# Allegro board C000PD020-3399PRO-DMEB-A-A01.brd (continued)
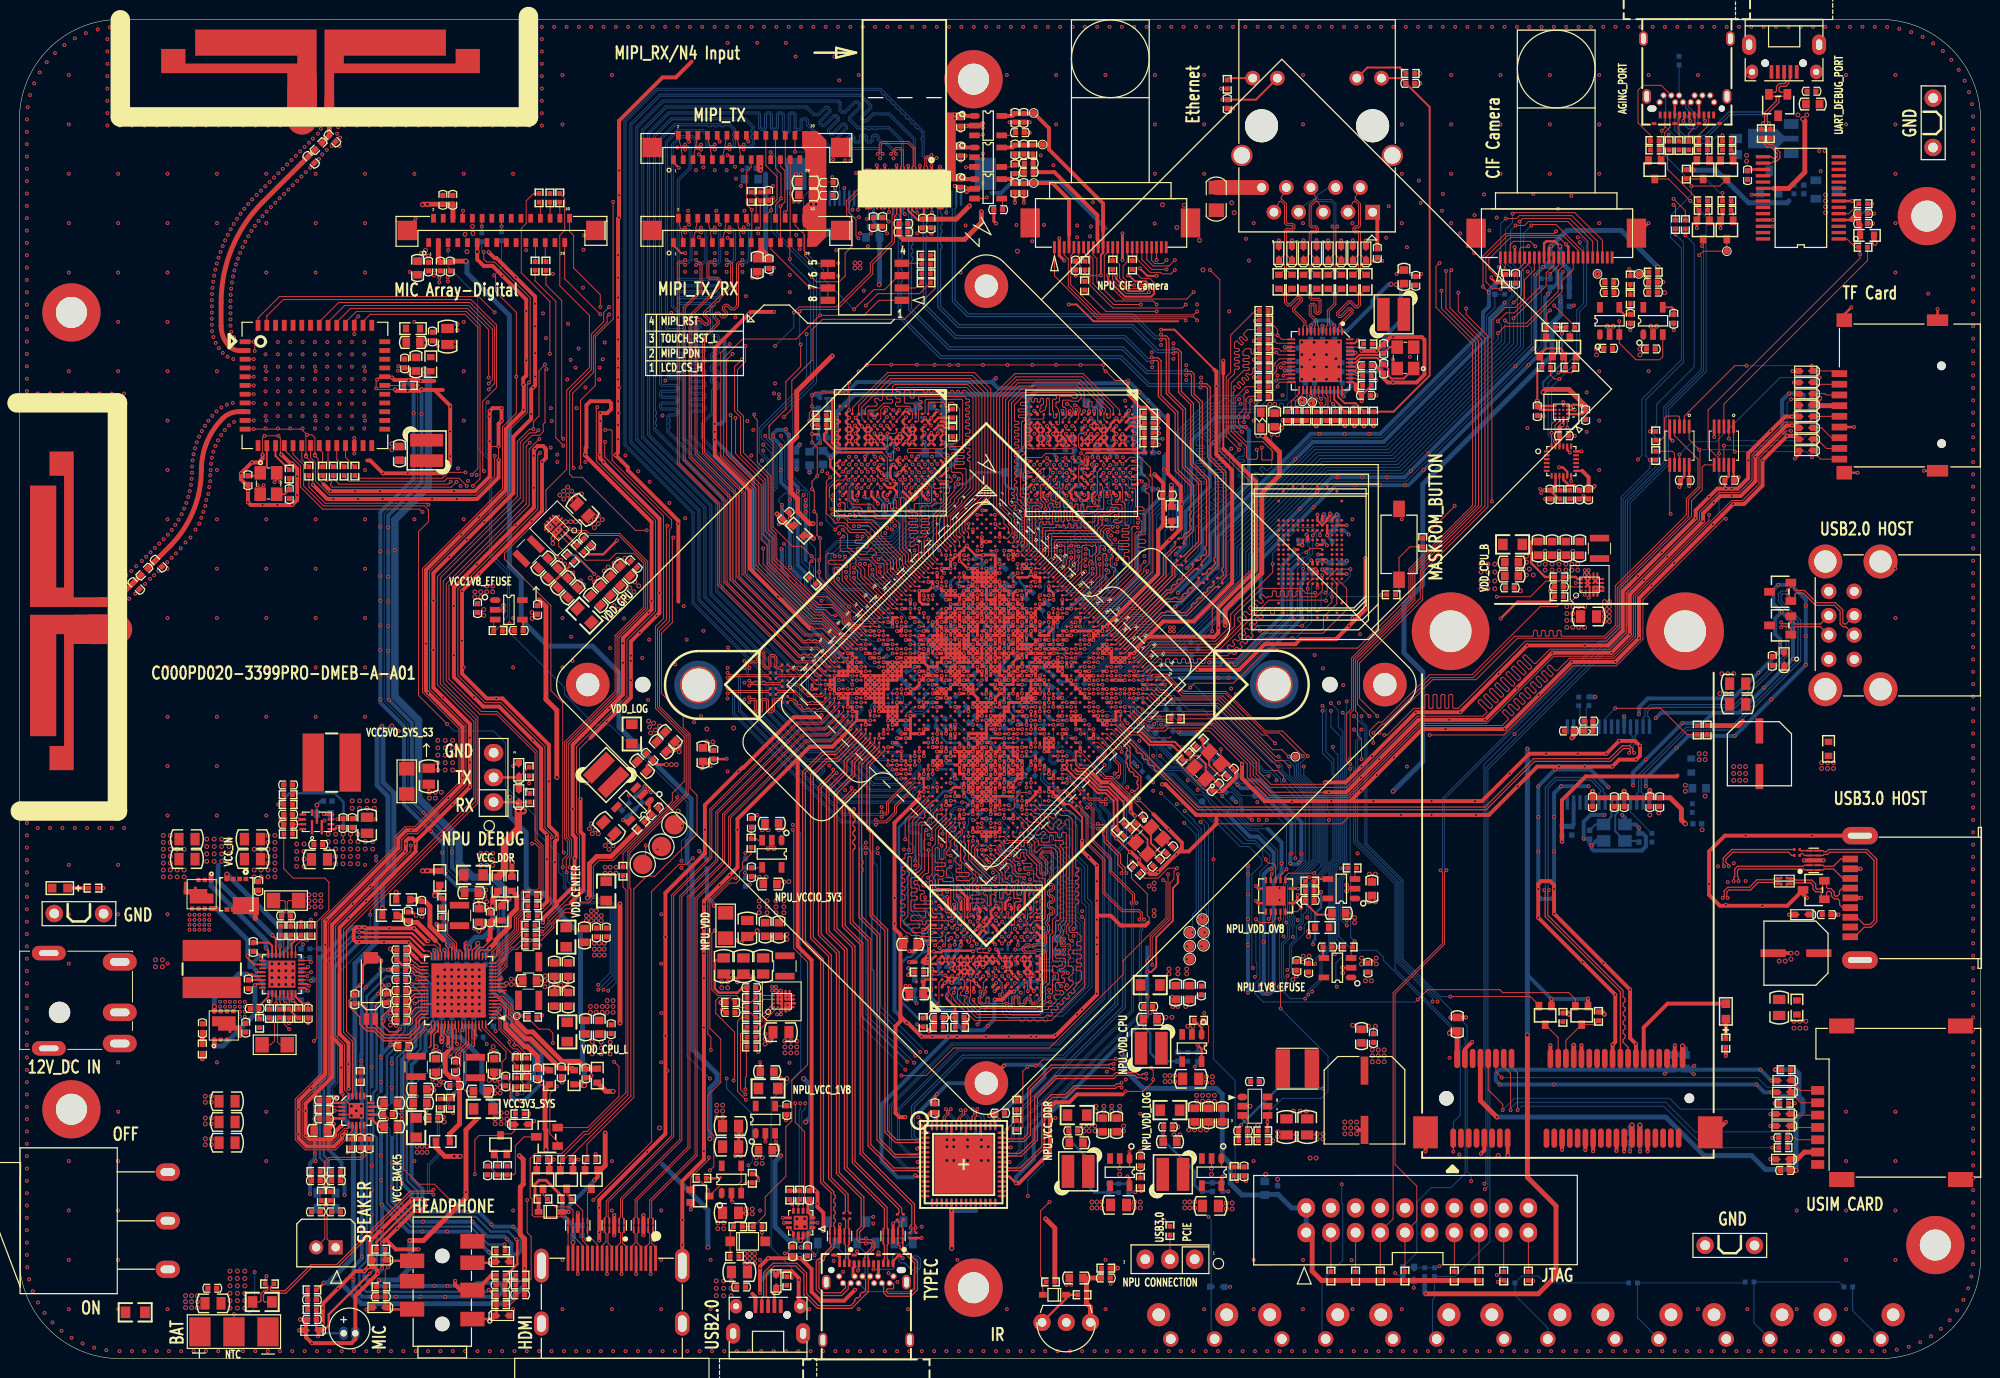
[diagram p0: board, top side]
## Routing (per net, layer and track width the routed paths; a pad name or vN(x,y) marks a point on that pad's centre or on a via; arc(x,y) is an arc through that point) (continued)
MAC_RXD3: length 52.7
  TOP w0.102: R6538.2 126.21,100.01 125.1,98.9 125.1,96.07 v1(125.81,95.36) ; U1000.E26 v1(109.6,73.95)
  BOTTOM w0.102: v1(109.6,73.95) 109.45,74.1 109.45,74.61 111.21,76.38 113.53,76.38 114.22,77.07 115.14,77.07 118.8,80.73 118.8,82.05 120.4,83.65 120.4,86.98 123.08,89.66 124.04,89.66 124.13,89.75 124.13,89.87 124.04,89.96 123.08,89.96 122.99,90.05 122.99,90.18 123.08,90.27 124.04,90.27 124.13,90.36 124.13,90.48 124.04,90.57 123.08,90.57 122.99,90.66 122.99,90.79 123.08,90.88 124.04,90.88 124.13,90.97 124.13,91.09 124.04,91.18 123.08,91.18 122.99,91.27 122.99,91.4 123.08,91.49 124.04,91.49 124.13,91.58 124.13,91.7 124.04,91.79 123.08,91.79 122.99,91.88 122.99,92.01 123.08,92.1 124.04,92.1 124.13,92.19 124.13,92.31 124.04,92.4 123.08,92.4 122.99,92.49 122.99,92.62 123.08,92.71 124.04,92.71 124.13,92.8 124.13,92.92 124.04,93.01 123.08,93.01 122.99,93.1 122.99,93.23 123.08,93.32 124.04,93.32 124.13,93.41 124.13,93.53 124.04,93.62 123.08,93.62 122.99,93.71 122.99,93.86 124.49,95.36 v1(125.81,95.36)
MAC_RXDV: length 52.8
  TOP w0.102: R6540.2 127.17,107.85 124.64,105.32 124.64,101.48 124.18,101.03 124.18,94.85 v1(125.5,93.53) ; U1000.E27 v1(110.06,73.49)
  BOTTOM w0.089: 112.09,75.86 111.79,75.86 110.97,75.04 110.97,74.84 110.87,74.73 110.85,74.73 110.66,74.54 110.66,74.52 110.41,74.27 110.39,74.27 110.2,74.08 110.2,74.07 110.06,73.93 v1(110.06,73.49)
  BOTTOM w0.102: 112.09,75.86 113.61,75.86 114.33,76.57 115.54,76.57 119.41,80.43 119.41,81.75 121.01,83.35 121.01,85.51 121.57,86.08 121.57,86.21 121.18,86.6 121.18,86.72 121.27,86.81 121.4,86.81 121.79,86.42 121.91,86.42 122,86.51 122,86.64 121.61,87.03 121.61,87.15 121.7,87.24 121.83,87.24 122.22,86.85 122.34,86.85 122.43,86.94 122.43,87.07 122.04,87.46 122.04,87.59 122.13,87.68 122.26,87.68 122.65,87.28 122.78,87.28 122.87,87.37 122.87,87.5 122.47,87.89 122.47,88.02 122.56,88.11 122.69,88.11 123.08,87.71 123.21,87.71 123.3,87.8 123.3,87.93 122.91,88.32 122.91,88.45 123,88.54 123.12,88.54 123.51,88.15 123.64,88.15 123.73,88.24 123.73,88.36 123.34,88.75 123.34,88.88 123.43,88.97 123.55,88.97 123.94,88.58 124.07,88.58 124.89,89.4 124.89,92.92 v1(125.5,93.53)
MASKROM: length 61.3
  TOP w0.102: v1(147.68,87.76) 147.71,87.76 147.71,87.74 R4103.2 ; v1(172.03,120.66) 174.97,120.66 Q9704.3
  S1 w0.102: v1(147.68,87.76) 147.71,87.76 147.71,87.74 148.16,87.29 160.5,87.29 165.74,92.52 v1(166.55,92.52)
  BOTTOM w0.102: v1(166.55,92.52) 166.95,92.92 166.95,98.72 171.02,102.78 171.02,114.26 169.9,115.38 169.9,117.61 172.03,119.75 v1(172.03,120.66)
MDI0+: length 9.8
  TOP w0.102: U6500.1 136.08,106.04 135.99,106.14 135.99,106.35 137.24,107.61 137.24,107.9 137.03,108.11 136.74,108.11 135.96,107.34 135.84,107.34 135.75,107.43 135.75,107.55 136.82,108.63 136.95,108.63 137.45,108.12 137.75,108.12 138,108.37 138,109.51 R6507.1
MDI0-: length 9.8
  TOP w0.102: U6500.2 135.68,106.05 135.78,106.15 135.78,106.44 137.04,107.69 137.04,107.82 136.95,107.91 136.82,107.91 136.05,107.13 135.75,107.13 135.54,107.34 135.54,107.64 136.74,108.83 137.03,108.83 137.54,108.32 137.67,108.32 137.8,108.45 137.8,109.51 R6506.1
MDI1+: length 5
  TOP w0.102: R6505.1 135.46,109.51 135.46,108.46 134.79,107.79 134.79,106.33 134.88,106.23 U6500.4
MDI1-: length 5
  TOP w0.102: R6504.1 135.26,109.51 135.26,108.54 134.58,107.87 134.58,106.33 134.48,106.23 U6500.5
MDI2+: length 8.4
  TOP w0.102: U6500.7 133.68,106.23 133.59,106.33 133.59,106.79 132.92,107.46 132.92,108.31 133.01,108.4 133.13,108.4 133.22,108.31 133.22,107.67 133.43,107.46 133.73,107.46 133.93,107.67 133.93,108.91 133.73,109.11 133.01,109.11 132.92,109.2 132.92,109.51 R6503.1
MDI2-: length 8.4
  TOP w0.102: U6500.8 133.28,106.23 133.38,106.33 133.38,106.71 132.72,107.38 132.72,108.4 132.92,108.61 133.22,108.61 133.43,108.4 133.43,107.75 133.52,107.66 133.64,107.66 133.73,107.75 133.73,108.82 133.64,108.91 132.92,108.91 132.72,109.12 132.72,109.51 R6502.1
MDI3+: length 8
  TOP w0.102: U6500.10 132.48,106.23 132.39,106.33 132.39,106.72 131.22,107.89 131.22,108.02 132.01,108.81 132.01,109.1 131.8,109.31 131.5,109.31 130.71,108.52 130.59,108.52 130.38,108.73 130.38,109.51 R6501.1
MDI3-: length 8
  TOP w0.102: R6500.1 130.18,109.51 130.18,108.65 130.5,108.32 130.8,108.32 131.59,109.11 131.71,109.11 131.8,109.02 131.8,108.89 131.01,108.1 131.01,107.81 132.18,106.64 132.18,106.33 132.08,106.23 U6500.11
MDI_0+: length 11
  TOP w0.102: R6507.2 138.49,111.53 138,112.02 138,112.55 D6500.1 138.48,113.12 138,113.6 138,115.83 137.79,116.04 137.5,116.04 137.41,116.13 137.41,116.26 137.5,116.35 137.79,116.35 138,116.55 138,118.84 137.64,119.2 137.48,119.28 137.43,119.42 J6500.2
MDI_0-: length 10.7
  TOP w0.102: R6506.2 137.3,111.53 137.8,112.02 137.8,112.55 D6501.1 137.28,113.12 137.8,113.64 137.8,115.75 137.71,115.84 137.42,115.84 137.21,116.05 137.21,116.34 137.42,116.55 137.71,116.55 137.8,116.64 137.8,118.76 137.52,119.04 137.39,119.1 137.25,119.06 J6500.3
MDI_1+: length 12.9
  TOP w0.102: R6505.2 135.95,111.53 135.46,112.02 135.46,112.55 D6502.1 135.94,113.12 135.46,113.6 135.46,116.35 v1(135.61,116.5)
  BOTTOM w0.102: v1(135.61,116.5) 135.46,116.64 135.46,118.83 135.02,119.28 133.68,119.28 133.52,119.51 133.57,119.74 134.89,120.62 J6500.4
MDI_1-: length 12.6
  TOP w0.102: R6504.2 134.76,111.53 135.26,112.02 135.26,112.55 D6503.1 134.74,113.12 135.26,113.64 135.26,116.35 v1(135.11,116.5)
  BOTTOM w0.102: J6500.7 131.7,118.32 133.22,119.34 133.42,119.3 133.57,119.07 134.93,119.07 135.26,118.75 135.26,116.64 v1(135.11,116.5)
MDI_2+: length 11.1
  TOP w0.102: R6503.2 133.41,111.53 132.92,112.02 132.92,112.55 D6504.1 133.4,113.12 132.92,113.6 132.92,115.75 133.01,115.84 133.45,115.84 133.66,116.05 133.66,116.35 133.45,116.56 133.01,116.56 132.92,116.64 132.92,118.6 133.36,119.04 133.49,119.1 133.62,119.06 J6500.5
MDI_2-: length 11.3
  TOP w0.102: J6500.6 133.44,119.42 133.4,119.28 133.24,119.2 132.72,118.68 132.72,116.56 132.92,116.35 133.36,116.35 133.45,116.26 133.45,116.14 133.36,116.05 132.92,116.05 132.72,115.84 132.72,113.64 132.2,113.12 D6505.1 132.72,112.55 132.72,112.02 132.22,111.53 R6502.2
MDI_3+: length 11.5
  TOP w0.102: J6500.8 129.81,119.42 129.86,119.28 129.99,119.22 130.38,118.83 130.38,116.91 130.47,116.82 131.03,116.82 131.24,116.61 131.24,116.32 131.03,116.11 130.47,116.11 130.38,116.02 130.38,113.6 130.86,113.12 D6506.1 130.38,112.55 130.38,112.02 130.87,111.53 R6501.2
MDI_3-: length 11.3
  TOP w0.102: R6500.2 129.68,111.53 130.18,112.02 130.18,112.55 D6507.1 129.66,113.12 130.18,113.64 130.18,116.1 130.38,116.31 130.95,116.31 131.04,116.4 131.04,116.53 130.95,116.62 130.38,116.62 130.18,116.82 130.18,118.74 129.87,119.05 129.77,119.1 129.63,119.06 J6500.9
MIC1_IN: length 44.9
  TOP w0.254: ED7004.1 30.55,3.11 C7005.1 R7008.2 ; ED7004.1 30.73,2.32 v1(30.71,2.3) ; ED7004.1 31.34,2.93 31.83,3.41 31.83,4.53 v1(36.04,8.75)
  BOTTOM w0.254: v1(36.04,8.75) 36.75,9.46 36.75,22.72 36.4,23.07 36.4,27.34 36.75,27.7 36.75,36.38 38.29,37.92 C2140.1 ; v1(30.71,2.3) 31.01,2.6 MIC7000.1
MIC2_IN: length 53.6
  TOP w0.254: J7000.1 48.72,4.06 ED7003.1 R7001.1 R7010.2 48.79,6.56 v1(48.29,7.07)
  BOTTOM w0.254: v1(48.29,7.07) 48.08,6.87 35.69,6.87 34.98,7.58 34.98,9.31 35.74,10.07 35.74,37.3 37.76,39.32 38.19,39.32 38.51,39 C2141.1
MIC_LED_EN_H: length 1.7
  TOP w0.102: R1225.2 55.61,118.99 J7500.28
MIPI_CLKO: length 95.8
  TOP w0.102: v1(122.5,112.02) 123.52,111.01 123.52,93.38 126.82,90.08 126.82,81.24 122.73,77.15 v1(122.73,74.84) ; R4601.1 75.33,120.04 R4600.1 76.23,116.39 76.12,116.29 v1(75.92,116.29)
  S1 w0.102: v1(122.5,112.02) 118.39,116.14 76.07,116.14 v1(75.92,116.29)
  BOTTOM w0.102: R1901.2 121.25,73.33 122.73,74.81 v1(122.73,74.84)
MIPI_MCLK0: length 15.3
  TOP w0.102: v1(77.55,120.66) 77.09,120.2 C4600.1 77.04,120.04 R4600.2 ; J4600.11 89.84,121.98 v1(89.84,121.07)
  S1 w0.102: v1(77.55,120.66) 77.95,121.07 83.85,121.07 84.15,121.37 89.54,121.37 v1(89.84,121.07)
MIPI_MCLK_T2: length 2
  TOP w0.102: R4601.2 75.8,118.65 J5101.18
MIPI_PDN: length 3.2
  TOP w0.102: 92.84,110.81 92.21,110.17 S5100.2 ; 92.84,110.81 R5102.2 ; 92.84,110.81 R5103.2
MIPI_PDN_H: length 91.6
  TOP w0.102: v1(87.1,108.37) 88.32,109.59 92.63,109.59 R5102.1 ; v1(60.68,108.21) 60.12,107.66 60.12,106.69 58.85,105.42 58.85,101.76 56.62,99.53 56.62,90.99 56.92,90.69 57.94,90.69 63.4,85.23 v1(64.54,85.23)
  TOP w0.305: U1000.AK4 v1(87.08,72.57)
  S1 w0.089: 84.46,73.42 85.47,73.42 86.32,72.57 v1(87.08,72.57)
  S1 w0.102: v1(60.68,108.21) 60.83,108.37 v1(87.1,108.37) ; v1(64.54,85.23) 75.46,74.31 83.24,74.31 84.13,73.42 84.46,73.42
MIPI_RST: length 3
  TOP w0.102: R5104.2 R5105.2 92.77,112.71 S5100.4
MIPI_RST_L: length 65.2
  TOP w0.102: v1(83.95,76.46) 83.54,76.46 82.93,77.07 81.92,77.07 77.14,81.85 77.14,84.19 76.53,84.8 76.53,90.28 73.69,93.13 v1(73.69,96.78) ; R5104.1 94.11,113.55 94.21,113.45 94.21,110.09 91.06,106.94 82.63,106.94 81.56,105.88 81.56,102.73 79.48,100.65 79.48,97.7 v1(78.66,96.89) ; U1000.AG4 v1(88.46,73.95)
  S1 w0.102: v1(73.69,96.78) 73.99,97.09 75.01,97.09 75.31,96.78 78.56,96.78 v1(78.66,96.89)
  BOTTOM w0.089: v1(88.46,73.95) 88.34,73.82 87.71,73.82 86.79,74.74 85.98,74.74 85.88,74.84
  BOTTOM w0.102: 85.88,74.84 84.25,76.46 v1(83.95,76.46)
MIPI_RX0_CLKN: length 4.4
  TOP w0.102: U1000.AY3 82.36,68.31 82.09,68.31 81.99,68.41 81.76,68.41 81.66,68.31 81.21,68.31 81.05,68.47 81.05,68.69 80.95,68.79 80.73,68.79 80.59,68.93 80.59,69.15 80.44,69.3 80.22,69.3 80.07,69.45 79.34,69.45 R9821.1
MIPI_RX0_CLKP: length 5
  TOP w0.102: U1000.AW3 82.95,68.45 82.6,68.11 81.13,68.11 79.99,69.25 79.14,69.25 R9820.1
MIPI_RX0_D0N: length 5.7
  TOP w0.102: R9813.1 79.24,67.93 79.56,67.93 79.69,67.8 79.78,67.8 79.86,67.8 80.02,67.64 80.02,67.55 80.02,67.47 80.19,67.31 80.27,67.31 80.27,67.31 80.35,67.31 80.52,67.14 80.52,67.06 80.52,66.97 80.68,66.81 80.92,66.81 81.02,66.91 81.25,66.91 81.35,66.81 81.58,66.81 81.68,66.91 81.91,66.91 82.01,66.81 82.24,66.81 82.34,66.91 82.57,66.91 82.67,66.81 82.85,66.81 83.41,67.37 U1000.AY5
MIPI_RX0_D0P: length 6.2
  TOP w0.102: 83.86,67.97 83.86,67.54 82.93,66.61 80.59,66.61 79.48,67.73 79.24,67.73 R9812.1
MIPI_RX0_D1N: length 6.2
  TOP w0.102: R9815.1 78.02,68.74 79.83,68.74 81.05,67.52 81.34,67.52 81.44,67.63 81.67,67.63 81.77,67.52 82,67.52 82.1,67.63 82.33,67.63 82.43,67.52 82.64,67.52 82.95,67.83 82.95,67.97 82.95,67.97
MIPI_RX0_D1P: length 6.9
  TOP w0.102: R9814.1 78.02,68.54 79.75,68.54 80.97,67.32 82.73,67.32 83.41,68 U1000.AW4
MIPI_RX0_D2N: length 4.5
  TOP w0.102: U1000.AW1 82.01,69.79 81.86,69.79 81.29,70.37 78.02,70.37 R9817.1
MIPI_RX0_D2P: length 5.1
  TOP w0.102: R9816.1 78.02,70.17 81.2,70.17 82.02,69.35 U1000.AW2
MIPI_RX0_D3N: length 3.9
  TOP w0.102: U1000.AV1 82.31,70.27 81.4,71.18 79.24,71.18 R9819.1
MIPI_RX0_D3P: length 4.9
  TOP w0.102: U1000.AV2 82.49,69.81 82.1,70.2 81.93,70.2 81.8,70.34 81.8,70.5 81.32,70.98 81.1,70.98 80.95,70.83 80.8,70.83 80.65,70.98 80.49,70.98 80.34,70.83 80.19,70.83 80.04,70.98 79.88,70.98 79.73,70.83 79.58,70.83 79.43,70.98 79.24,70.98 R9818.1
MIPI_TX0_CLKN: length 88
  TOP w0.102: v1(71.55,124.93) 71.47,124.81 71.13,124.74 71.01,124.82 J5100.8 ; U1000.AU5 v1(84.32,68.89)
  BOTTOM w0.102: v1(71.55,124.93) 71.45,124.83 70.94,124.83 70.84,124.93 70.84,125.98 70.37,126.45 67.69,126.45 66.47,125.23 66.47,107.23 66.69,107.01 67.42,107.01 67.55,106.88 67.55,106.74 67.42,106.61 66.69,106.61 66.47,106.39 66.47,106.01 66.69,105.79 68.1,105.79 68.2,105.69 68.2,105.49 68.1,105.39 66.69,105.39 66.47,105.17 66.47,104.79 66.69,104.57 68.1,104.57 68.2,104.47 68.2,104.27 68.1,104.17 66.69,104.17 66.47,103.95 66.47,103.58 66.69,103.36 68.1,103.36 68.2,103.25 68.2,103.05 68.1,102.95 66.69,102.95 66.47,102.73 66.47,102.36 66.69,102.14 68.1,102.14 68.2,102.03 68.2,101.7 68.1,101.6 66.9,101.6 66.68,101.38 66.68,101 66.9,100.78 68.1,100.78 68.2,100.68 68.2,94.71 73.48,89.43 73.48,79.83 84.05,69.27 84.55,69.27 84.68,69.14 84.68,68.99 84.58,68.89 v1(84.32,68.89)
MIPI_TX0_CLKP: length 87.7
  TOP w0.102: J5100.9 71.09,124.42 71.17,124.54 71.17,124.54 71.39,124.59 v1(71.55,124.43) ; U1000.AT6 v1(85.24,68.89)
  BOTTOM w0.102: v1(71.55,124.43) 71.36,124.62 70.86,124.62 70.64,124.84 70.64,125.89 70.28,126.25 67.78,126.25 66.68,125.15 66.68,107.32 66.78,107.22 67.5,107.22 67.75,106.97 67.75,106.65 67.5,106.4 66.78,106.4 66.68,106.3 66.68,106.1 66.78,106 68.18,106 68.4,105.78 68.4,105.4 68.18,105.18 66.78,105.18 66.68,105.08 66.68,104.88 66.78,104.78 68.18,104.78 68.4,104.56 68.4,104.19 68.18,103.96 66.78,103.96 66.68,103.86 66.68,103.66 66.78,103.56 68.18,103.56 68.4,103.34 68.4,102.97 68.18,102.75 66.78,102.75 66.68,102.64 66.68,102.44 66.78,102.34 68.18,102.34 68.4,102.12 68.4,101.61 68.18,101.39 66.98,101.39 66.88,101.29 66.88,101.09 66.98,100.99 68.18,100.99 68.4,100.77 68.4,94.8 73.69,89.51 73.69,79.92 84.13,69.47 84.64,69.47 84.89,69.22 84.89,68.99 84.99,68.89 v1(85.24,68.89)
MIPI_TX0_D0N: length 88
  TOP w0.102: J5100.14 74.01,124.82 74.13,124.74 74.14,124.74 74.39,124.79 v1(74.52,124.93) ; U1000.AU9 v1(86.16,67.05)
  BOTTOM w0.102: v1(74.52,124.93) 74.67,124.78 75.18,124.78 75.41,125.01 75.41,125.48 75.26,125.63 75.26,125.79 75.41,125.94 75.41,126.1 75.26,126.25 75.26,126.35 75.41,126.5 75.41,126.66 74.6,127.47 74.35,127.47 74.24,127.37 73.99,127.37 73.89,127.47 73.74,127.47 73.63,127.37 73.42,127.37 73.32,127.47 67.17,127.47 65.46,125.76 65.46,97.53 65.56,97.43 65.56,97.2 65.46,97.1 65.46,96.87 65.56,96.77 65.56,96.54 65.46,96.44 65.46,96.18 65.56,96.07 65.56,95.92 65.46,95.82 65.46,95.67 72.47,88.66 72.47,79.31 81.2,70.57 81.2,68.73 81.71,68.22 81.88,68.22 82.04,68.06 82.04,67.89 82.2,67.73 82.37,67.73 82.54,67.56 82.54,67.39 82.7,67.23 82.87,67.23 83.03,67.07 83.03,66.9 83.19,66.74 83.36,66.74 83.52,66.58 83.52,66.41 83.73,66.2 84.2,66.2 84.32,66.33 84.55,66.33 84.68,66.2 84.91,66.2 85.04,66.33 85.26,66.33 85.39,66.2 85.97,66.2 86.58,66.81 86.58,66.95 86.42,67.12 86.23,67.12 v1(86.16,67.05)
MIPI_TX0_D0P: length 88.4
  TOP w0.102: v1(74.52,124.43) 74.31,124.57 74.17,124.54 74.17,124.54 74.09,124.42 J5100.15 ; U1000.AT9 v1(86.62,67.51)
  BOTTOM w0.102: v1(86.62,67.51) 86.62,67.2 86.78,67.04 86.78,66.73 86.06,66 83.64,66 81,68.64 81,70.49 72.26,79.23 72.26,88.57 65.25,95.58 65.25,125.84 67.08,127.67 74.68,127.67 75.62,126.74 75.62,124.93 75.27,124.58 74.67,124.58 v1(74.52,124.43)
MIPI_TX0_D1N: length 89.5
  TOP w0.102: v1(73.07,124.43) 73.05,124.42 72.63,124.5 72.51,124.42 J5100.11 ; U1000.AU8 v1(85.7,67.51)
  BOTTOM w0.102: v1(85.7,67.51) 85.7,67.74 85.59,67.85 85.38,67.85 84.75,67.22 83.96,67.22 82.22,68.96 82.22,70.18 72.87,79.53 72.87,89.1 66.62,95.35 66.62,96.98 66.84,97.2 67.49,97.2 67.59,97.3 67.59,97.51 67.49,97.61 66.08,97.61 65.86,97.83 65.86,98.2 66.08,98.42 67.49,98.42 67.59,98.52 67.59,98.73 67.49,98.83 66.08,98.83 65.86,99.05 65.86,99.42 66.08,99.64 67.49,99.64 67.59,99.74 67.59,99.95 67.49,100.05 66.08,100.05 65.86,100.27 65.86,125.54 67.39,127.06 73.13,127.06 73.69,126.5 73.69,124.8 73.47,124.58 73.22,124.58 v1(73.07,124.43)
MIPI_TX0_D1P: length 89.3
  TOP w0.102: v1(73.07,124.93) 72.81,124.67 72.67,124.7 72.59,124.82 J5100.12 ; U1000.AT8 v1(86.16,67.97)
  BOTTOM w0.102: v1(73.07,124.93) 73.22,124.78 73.38,124.78 73.48,124.89 73.48,125.28 73.38,125.38 73.38,125.54 73.48,125.64 73.48,125.79 73.38,125.89 73.38,126.05 73.48,126.15 73.48,126.42 73.04,126.86 72.55,126.86 72.44,126.76 72.22,126.76 72.11,126.86 71.89,126.86 71.78,126.76 71.55,126.76 71.45,126.86 71.22,126.86 71.12,126.76 70.89,126.76 70.79,126.86 67.47,126.86 66.07,125.45 66.07,102.07 66.22,101.92 66.22,101.71 66.07,101.56 66.07,100.35 66.17,100.25 67.57,100.25 67.79,100.03 67.79,99.66 67.57,99.44 66.17,99.44 66.07,99.34 66.07,99.13 66.17,99.03 67.57,99.03 67.79,98.81 67.79,98.44 67.57,98.22 66.17,98.22 66.07,98.12 66.07,97.91 66.17,97.81 67.57,97.81 67.79,97.59 67.79,97.22 67.57,97 66.93,97 66.83,96.9 66.83,96.73 66.98,96.58 66.98,96.43 66.83,96.28 66.83,96.12 66.98,95.97 66.98,95.82 66.83,95.67 66.83,95.44 73.08,89.19 73.08,79.61 82.42,70.27 82.42,69.05 84.05,67.42 84.66,67.42 85.29,68.05 85.68,68.05 85.76,67.97 v1(86.16,67.97)
MIPI_TX0_D2N: length 89.4
  TOP w0.102: v1(70.14,124.42) 70.12,124.39 70.06,124.39 69.98,124.47 69.79,124.47 69.67,124.5 69.63,124.5 69.51,124.42 J5100.5 ; U1000.AR5 v1(85.7,69.35)
  BOTTOM w0.102: v1(70.14,124.42) 70.14,124.44 70,124.58 69.74,124.58 69.52,124.8 69.52,125.35 69.23,125.64 68.08,125.64 67.28,124.84 67.28,108.35 68.89,106.75 69.91,106.75 70.13,106.53 70.13,106.16 69.91,105.94 69.27,105.94 69.16,105.83 69.16,105.63 69.27,105.53 70.42,105.53 70.64,105.31 70.64,104.94 70.42,104.72 69.27,104.72 69.16,104.61 69.16,104.41 69.27,104.31 70.42,104.31 70.64,104.09 70.64,103.72 70.42,103.5 69.27,103.5 69.16,103.4 69.16,103.19 69.27,103.09 70.42,103.09 70.64,102.87 70.64,102.5 70.42,102.28 69.27,102.28 69.16,102.18 69.16,101.97 69.27,101.87 70.42,101.87 70.64,101.65 70.64,101.28 70.42,101.06 69.27,101.06 69.16,100.96 69.16,100.75 69.27,100.65 70.42,100.65 70.64,100.43 70.64,100.06 70.42,99.84 69.27,99.84 69.16,99.74 69.16,99.53 69.27,99.43 70.42,99.43 70.64,99.21 70.64,98.84 70.42,98.62 69.27,98.62 69.16,98.52 69.16,98.32 69.27,98.21 70.42,98.21 70.64,97.99 70.64,97.62 70.42,97.4 69.27,97.4 69.16,97.3 69.16,95.01 74.3,89.88 74.3,80.33 83.54,71.08 83.95,71.08 85.67,69.35 v1(85.7,69.35)
MIPI_TX0_D2P: length 89.3
  TOP w0.102: v1(70.14,124.92) 70.14,124.91 69.99,124.77 69.9,124.67 69.81,124.67 69.67,124.7 69.59,124.82 J5100.6 ; U1000.AT4 v1(84.32,69.81)
  BOTTOM w0.102: v1(84.32,69.81) 84.38,69.76 84.63,69.76 84.74,69.86 84.74,70 83.86,70.88 83.46,70.88 74.09,80.24 74.09,89.79 68.96,94.92 68.96,97.38 69.18,97.6 70.33,97.6 70.43,97.71 70.43,97.91 70.33,98.01 69.18,98.01 68.96,98.23 68.96,98.6 69.18,98.82 70.33,98.82 70.43,98.93 70.43,99.13 70.33,99.23 69.18,99.23 68.96,99.45 68.96,99.82 69.18,100.04 70.33,100.04 70.43,100.14 70.43,100.35 70.33,100.45 69.18,100.45 68.96,100.67 68.96,101.04 69.18,101.26 70.33,101.26 70.43,101.36 70.43,101.57 70.33,101.67 69.18,101.67 68.96,101.89 68.96,102.26 69.18,102.48 70.33,102.48 70.43,102.58 70.43,102.79 70.33,102.89 69.18,102.89 68.96,103.11 68.96,103.48 69.18,103.7 70.33,103.7 70.43,103.8 70.43,104.01 70.33,104.11 69.18,104.11 68.96,104.33 68.96,104.7 69.18,104.92 70.33,104.92 70.43,105.02 70.43,105.22 70.33,105.33 69.18,105.33 68.96,105.55 68.96,105.92 69.18,106.14 69.82,106.14 69.93,106.24 69.93,106.44 69.82,106.55 68.8,106.55 67.08,108.27 67.08,124.93 68,125.84 69.32,125.84 69.72,125.44 69.72,124.88 69.82,124.78 70,124.78 v1(70.14,124.92)
MIPI_TX0_D3N: length 89.1
  TOP w0.102: U1000.AP5 v1(85.7,70.27) ; v1(68.5,124.92) 68.35,124.77 68.27,124.77 68.13,124.74 68.01,124.82 J5100.2
  BOTTOM w0.102: v1(85.7,70.27) 85.47,70.27 84.9,70.84 84.89,70.84 74.9,80.82 74.9,90.23 70.38,94.75 70.38,96.23 71.4,97.24 71.4,99.59 71.5,99.69 71.84,99.69 72.06,99.91 72.06,100.28 71.84,100.5 71.4,100.5 71.3,100.6 71.3,100.8 71.4,100.91 71.84,100.91 72.06,101.13 72.06,101.5 71.84,101.72 71.4,101.72 71.3,101.82 71.3,102.02 71.4,102.13 71.84,102.13 72.06,102.35 72.06,102.72 71.84,102.94 71.4,102.94 71.3,103.04 71.3,103.24 71.4,103.34 71.84,103.34 72.06,103.56 72.06,103.94 71.84,104.16 71.4,104.16 71.3,104.26 71.3,104.46 71.4,104.56 71.84,104.56 72.06,104.78 72.06,105.16 71.84,105.38 71.4,105.38 71.3,105.48 71.3,108.44 71.08,108.66 68.05,108.66 67.95,108.77 67.95,108.97 68.05,109.07 71.84,109.07 72.06,109.29 72.06,109.66 71.84,109.88 68.05,109.88 67.95,109.98 67.95,110.19 68.05,110.29 71.84,110.29 72.06,110.51 72.06,110.91 71.81,111.16 68,111.16 67.89,111.26 67.89,121.24 69.11,122.46 69.11,124.55 68.89,124.77 68.65,124.77 v1(68.5,124.92)
MIPI_TX0_D3P: length 89.6
  TOP w0.102: U1000.AP6 v1(86.16,69.81) ; J5100.3 68.09,124.42 68.17,124.54 68.29,124.57 68.36,124.57 v1(68.5,124.42)
  BOTTOM w0.102: v1(86.16,69.81) 85.62,69.81 84.74,70.69 84.74,70.7 74.7,80.74 74.7,90.15 70.18,94.67 70.18,96.31 71.2,97.33 71.2,99.67 71.42,99.89 71.76,99.89 71.86,99.99 71.86,100.19 71.76,100.3 71.32,100.3 71.09,100.52 71.09,100.89 71.32,101.11 71.76,101.11 71.86,101.21 71.86,101.41 71.76,101.52 71.32,101.52 71.09,101.74 71.09,102.11 71.32,102.33 71.76,102.33 71.86,102.43 71.86,102.63 71.76,102.73 71.32,102.73 71.09,102.96 71.09,103.33 71.32,103.55 71.76,103.55 71.86,103.65 71.86,103.85 71.76,103.95 71.32,103.95 71.09,104.17 71.09,104.55 71.32,104.77 71.76,104.77 71.86,104.87 71.86,105.07 71.76,105.17 71.32,105.17 71.09,105.39 71.09,108.36 70.99,108.46 67.96,108.46 67.74,108.68 67.74,109.05 67.96,109.27 71.76,109.27 71.86,109.37 71.86,109.58 71.76,109.68 67.96,109.68 67.74,109.9 67.74,110.27 67.96,110.49 71.76,110.49 71.86,110.59 71.86,110.82 71.72,110.96 67.91,110.96 67.69,111.18 67.69,121.32 68.91,122.54 68.91,124.47 68.81,124.57 68.65,124.57 v1(68.5,124.42)
MIPI_TX1/RX1_CLKN: length 57.8
  TOP w0.102: U1000.AR1 83.66,71.65 83.51,71.8 83.51,71.87 83.51,71.87 83.51,71.95 83.35,72.11 83.28,72.11 83.28,72.11 83.21,72.11 83.05,72.27 83.05,72.34 83.05,72.41 82.88,72.58 82.81,72.58 82.74,72.57 82.11,73.2 80.38,73.2 73.35,80.23 73.35,88.56 69.11,92.8 69.11,107.25 72.16,110.3 72.16,111.01 71.89,111.28 71.04,111.28 70.94,111.38 70.94,112.6 71.08,112.74 71.36,112.74 v1(71.55,112.54) ; v1(71.55,116.39) 71.47,116.28 71.13,116.21 71.01,116.29 J5101.8
  BOTTOM w0.102: v1(71.55,116.39) 71.7,116.24 71.94,116.24 72.16,116.02 72.16,112.85 71.94,112.63 71.65,112.63 v1(71.55,112.54)
MIPI_TX1/RX1_CLKP: length 58.1
  TOP w0.102: J5101.9 71.09,115.89 71.17,116.01 71.17,116.01 71.39,116.05 v1(71.55,115.89) ; v1(71.55,113.04) 71.45,112.94 70.99,112.94 70.74,112.69 70.74,111.3 70.96,111.08 71.81,111.08 71.96,110.92 71.96,110.38 68.91,107.33 68.91,92.71 73.15,88.48 73.15,80.14 80.29,73 82.03,73 83.84,71.19 U1000.AR2
  BOTTOM w0.102: v1(71.55,115.89) 71.7,116.04 71.86,116.04 71.96,115.94 71.96,112.94 71.86,112.84 71.75,112.84 71.55,113.04 v1(71.55,113.04)
MIPI_TX1/RX1_D0N: length 58.2
  TOP w0.102: U1000.AN1 84.6,72.57 82.6,74.57 80.87,74.57 74.66,80.77 74.66,89.1 70.5,93.27 70.5,104.99 72,106.49 72,106.81 71.62,107.19 71.62,107.33 71.76,107.48 71.91,107.48 72.29,107.09 72.6,107.09 72.86,107.36 72.86,107.67 72.53,108 72.53,108.14 72.68,108.29 72.82,108.29 73.2,107.91 73.62,107.91 73.99,108.28 73.99,112.53 74.09,112.63 74.29,112.63 v1(74.39,112.53) ; J5101.14 74.01,116.29 74.13,116.21 74.14,116.21 74.39,116.26 v1(74.52,116.4)
  BOTTOM w0.102: v1(74.39,112.53) 74.4,112.53 74.6,112.74 74.9,112.74 75.21,113.04 75.21,116.09 74.99,116.31 74.61,116.31 v1(74.52,116.4)
MIPI_TX1/RX1_D0P: length 58.8
  TOP w0.102: J5101.15 74.09,115.89 74.17,116.01 74.17,116.01 74.31,116.04 v1(74.52,115.9) ; v1(74.4,113.04) 74.19,112.84 74.01,112.84 73.79,112.62 73.79,108.37 73.53,108.11 73.28,108.11 72.9,108.49 72.59,108.49 72.33,108.23 72.33,107.92 72.66,107.59 72.66,107.44 72.51,107.3 72.37,107.3 71.99,107.68 71.68,107.68 71.41,107.42 71.41,107.1 71.8,106.72 71.8,106.58 70.29,105.08 70.29,93.19 74.46,89.02 74.46,80.69 80.78,74.36 82.52,74.36 84.77,72.11 U1000.AN2
  BOTTOM w0.102: v1(74.4,113.04) 74.5,112.94 74.82,112.94 75.01,113.12 75.01,116 74.9,116.1 74.73,116.1 v1(74.52,115.9)
MIPI_TX1/RX1_D1N: length 58.1
  TOP w0.102: U1000.AP1 84.14,72.11 82.39,73.87 82.08,73.87 82.02,73.92 81.97,73.98 81.74,73.98 81.69,73.92 81.63,73.87 81.41,73.87 81.35,73.92 81.3,73.98 81.07,73.98 81.02,73.92 80.96,73.87 80.65,73.87 74.01,80.5 74.01,88.84 69.72,93.13 69.72,106.71 69.85,106.84 70,106.84 70.5,106.34 70.84,106.34 71.09,106.59 71.09,106.9 70.59,107.4 70.59,107.57 70.76,107.74 70.93,107.74 71.09,107.9 71.09,108.07 71.25,108.24 71.42,108.24 71.58,108.4 71.58,108.57 71.74,108.73 71.91,108.73 72.07,108.89 72.07,109.06 73.38,110.37 73.38,112.68 73.16,112.9 72.92,112.9 v1(72.77,113.04) ; v1(73.07,115.9) 73.05,115.88 72.63,115.97 72.51,115.89 J5101.11
  BOTTOM w0.102: v1(72.77,113.04) 72.87,112.94 73.28,112.94 73.48,113.14 73.48,115.99 73.38,116.09 73.26,116.09 v1(73.07,115.9)
MIPI_TX1/RX1_D1P: length 58.9
  TOP w0.102: v1(73.07,116.4) 72.81,116.14 72.67,116.17 72.59,116.29 J5101.12 ; U1000.AP2 84.32,71.65 82.3,73.67 80.57,73.67 73.81,80.42 73.81,88.75 69.52,93.04 69.52,106.79 69.77,107.04 70.08,107.04 70.59,106.54 70.76,106.54 70.89,106.67 70.89,106.81 70.38,107.32 70.38,107.66 73.18,110.45 73.18,112.59 73.08,112.69 72.93,112.69 v1(72.77,112.53)
  BOTTOM w0.102: v1(72.77,112.53) 72.97,112.74 73.36,112.74 73.69,113.06 73.69,116.07 73.47,116.29 73.17,116.29 73.07,116.39 v1(73.07,116.4)
MIPI_TX1/RX1_D2N: length 56.8
  TOP w0.102: J5101.5 69.51,115.89 69.63,115.97 69.67,115.96 69.79,115.94 69.98,115.94 70.06,115.86 70.12,115.86 v1(70.14,115.88) ; U1000.AT1 83.21,71.19 83.05,71.35 83.05,71.42 83.05,71.49 82.89,71.65 82.82,71.65 82.75,71.65 82.58,71.82 82.58,71.89 82.58,71.89 82.58,71.96 82.42,72.12 82.35,72.12 82.35,72.12 82.28,72.12 82.02,72.38 81.66,72.38 81.6,72.44 81.54,72.5 81.31,72.5 81.25,72.44 81.19,72.38 80.96,72.38 80.9,72.44 80.84,72.5 80.61,72.5 80.55,72.44 80.49,72.38 80.29,72.38 72.7,79.96 72.7,88.29 68.5,92.49 68.5,108.11 70.23,109.84 70.23,112.62 70.01,112.84 69.82,112.84 v1(69.62,113.04)